# Allegro board RK3588S_Template_LP5D315P232SD10H2_42x42_2750MHz_1R2_V10_20220413YWQ.brd (continued)
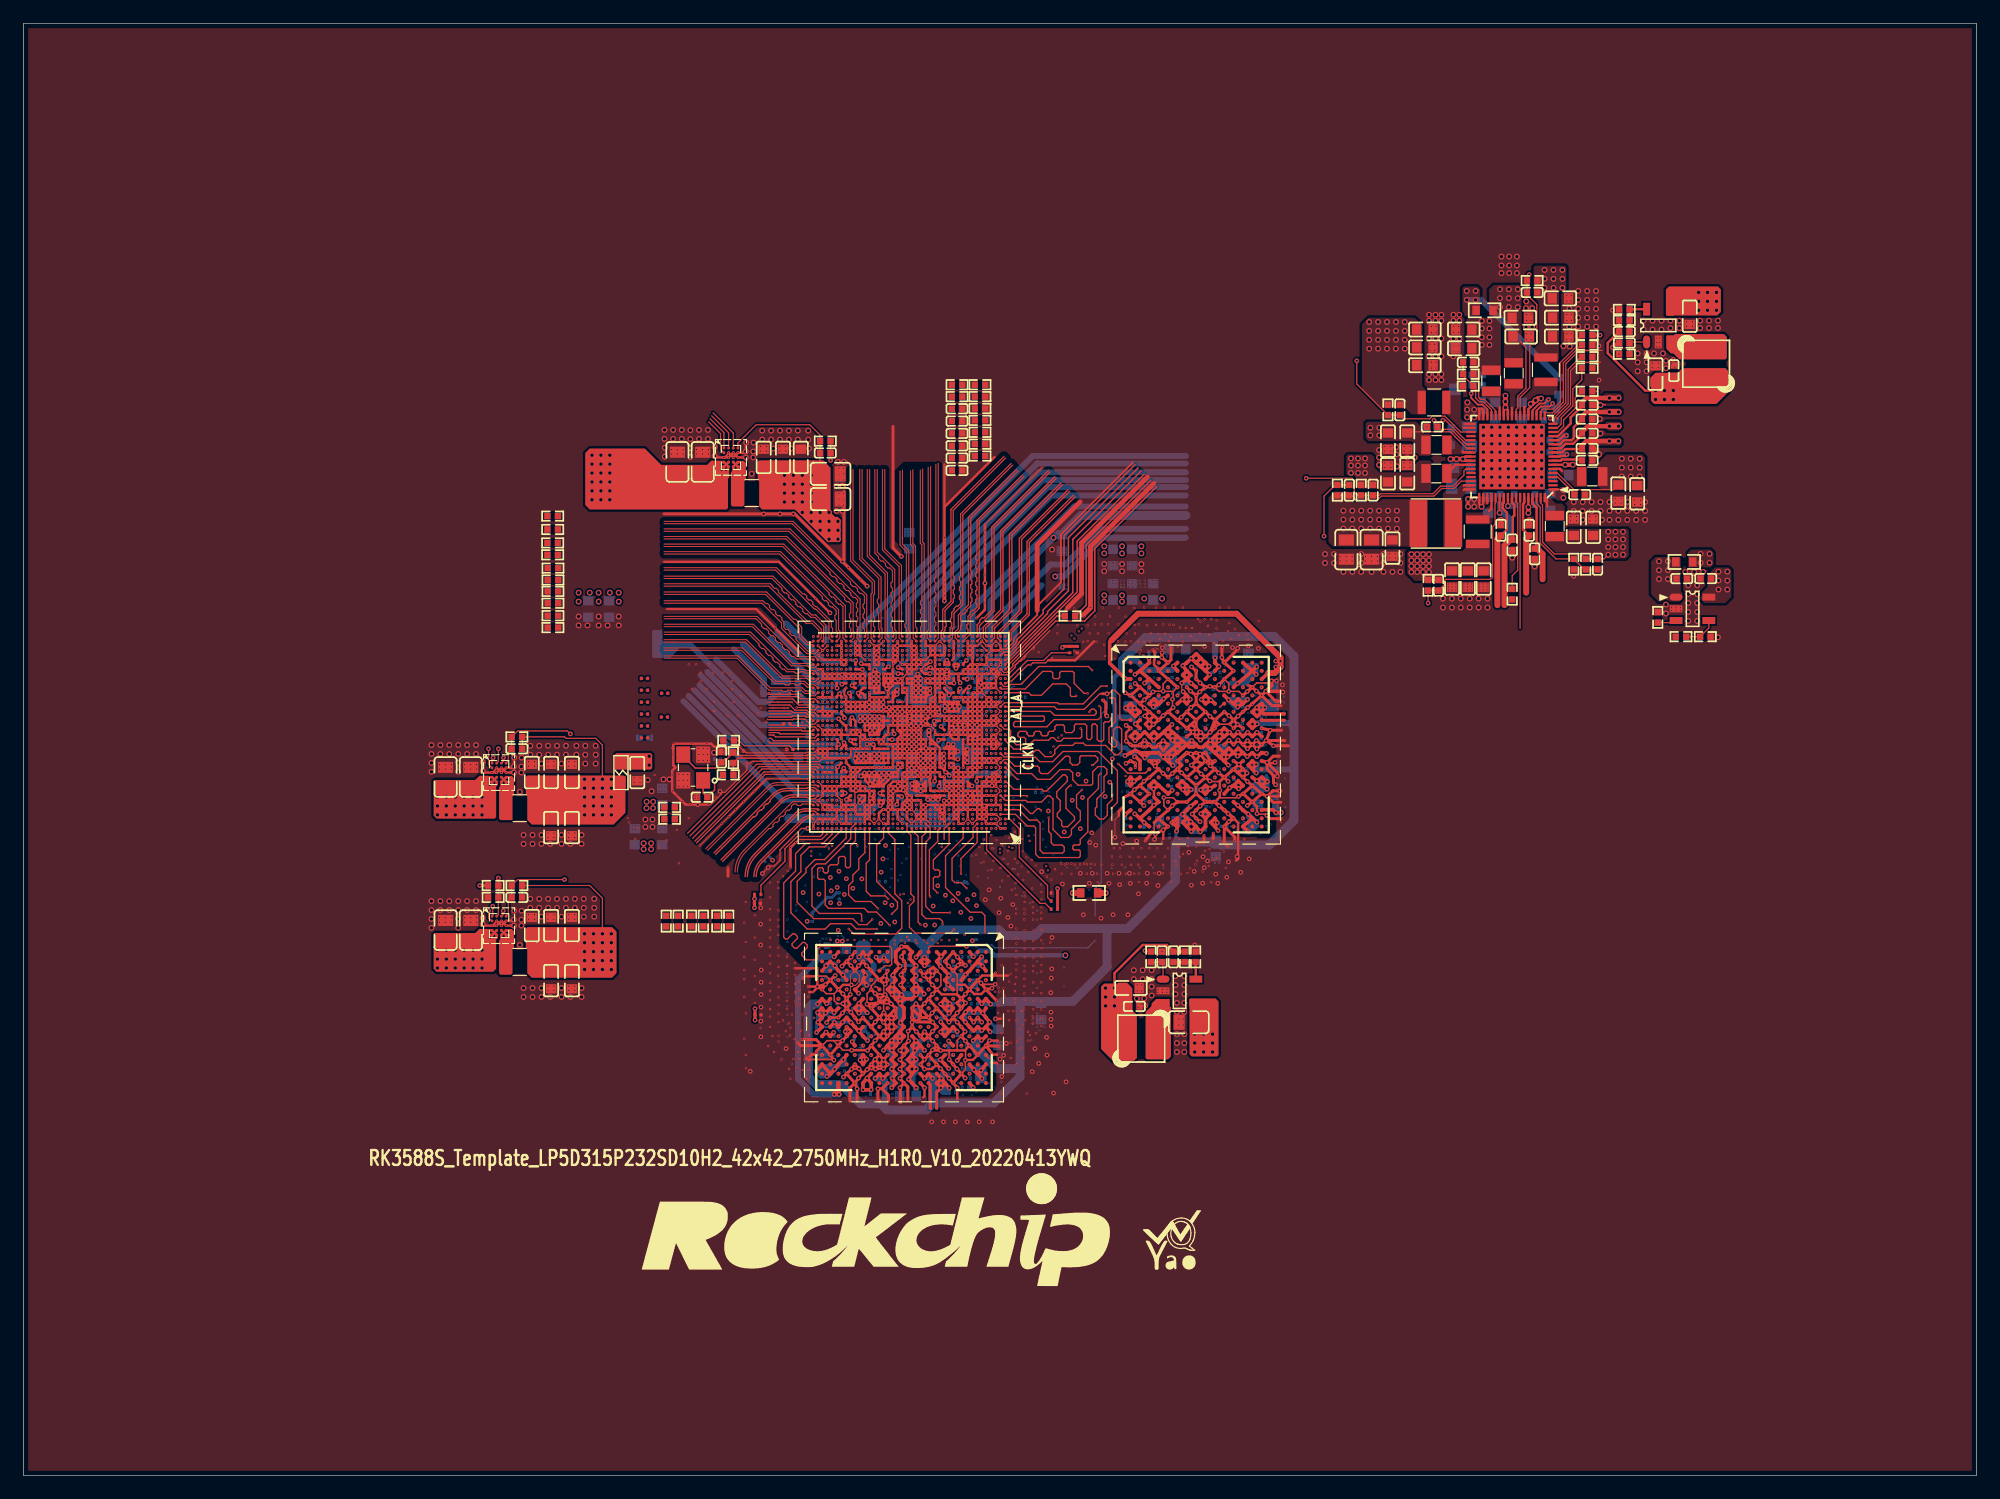
[diagram p0: board, top side]
## Routing (per net, layer and track width the routed paths; a pad name or vN(x,y) marks a point on that pad's centre or on a via; arc(x,y) is an arc through that point) (continued)
  vias: v1(62.1,34.54) v1(62.99,48.51) v1(62.99,47.12) v1(62.99,45.34) v1(63.04,43.2) v1(63.03,42.15) v1(63.03,41.11) v1(63.02,40.03) v1(63.01,38.83) v1(63.01,37.49) v1(63.63,51.96) v1(66.62,49.82) v1(66.97,47.36) v1(71.64,50.99) v1(73.29,51.56) v1(75.49,56.9) v1(77.6,30.23) v1(77.73,48.66) v1(78.12,50.4) v1(78.61,30.23) v1(78.89,68.48) v1(79.63,30.23) v1(80.09,48.13) v1(80.7,58.06) v1(80.64,30.23) v1(80.95,47.6) v1(81.08,45.7) v1(81.41,57.91) v1(81.66,30.23) v1(82.18,49.2) v1(82.8,30.23) v1(86.19,34.51) v1(86.42,36.48) v1(86.75,35.22) v1(87.42,37.44) v1(87.46,35.93) v1(87.82,42.51) v1(87.78,41.27) v1(87.79,39.6) v1(87.79,38.99) v1(87.81,38.41) v1(87.88,45.97) v1(87.87,43.3) v1(88.02,32.68) v1(88.77,50.55) v1(89.08,33.64) v1(89.61,57.7) v1(90.3,51.46) v1(90.56,47.92) v1(91.07,50.61) v1(91.32,51.46) v1(92.07,47.62) v1(92.59,51.46) v1(92.74,50.61) v1(93.1,47.92) v1(93.61,51.46) v1(93.66,50.5) v1(94.37,47.92) v1(94.57,50.61) v1(95.27,49.71) v1(95.88,40.13) v1(96.02,51.46) v1(95.97,50.62) v1(96.94,50.42) v1(97.03,51.46) v1(99.57,53.25) v1(99.78,50.45) v1(100.08,45.34) v1(100.75,50.61) v1(100.89,51.94) v1(101.18,52.52) v1(101.87,51.39) v1(102.04,50.61) v1(102.81,51.13) v1(102.96,52.44) v1(103.69,52.9) v1(104,51.55) v1(104.73,52.69) v1(107.57,67.56) v1(132.46,76.84) v1(134.62,96.52) v1(134.62,93.6) v1(135.76,99.57) v1(140.97,95.38) v2(34.86,62.42) v2(34.86,61.66) v2(34.86,60.89) v2(34.86,60.13) v2(34.86,49.08) v2(34.86,48.32) v2(34.86,47.56) v2(34.86,46.8) v2(35.62,62.42) v2(35.62,61.66) v2(35.62,49.08) v2(35.62,48.32) v2(36.39,62.42) v2(36.39,61.66) v2(36.39,49.08) v2(36.39,48.32) v2(37.15,62.42) v2(37.15,61.66) v2(37.15,60.89) v2(37.15,60.13) v2(37.15,49.08) v2(37.15,48.32) v2(37.15,47.56) v2(37.15,46.8) v2(37.91,62.42) v2(37.91,61.66) v2(37.91,49.08) v2(37.91,48.32) v2(38.67,62.42) v2(38.67,61.66) v2(38.67,49.08) v2(38.67,48.32) v2(39.24,60.97) v2(39.24,47.63) v2(41.94,48.26) v2(42.42,58.42) v2(42.42,45.34) v2(42.57,61.34) v2(42.54,60.58) v2(42.54,60.07) v2(42.57,48.26) v2(42.54,47.5) v2(42.54,46.99) v2(42.74,54.74) v2(42.74,53.98) v2(42.74,41.66) v2(42.74,40.89) v2(43.31,62.36) v2(43.31,61.59) v2(43.31,49.28) v2(43.31,48.51) v2(43.5,54.74) v2(43.5,53.98) v2(43.5,41.66) v2(43.5,40.89) v2(44.07,62.36) v2(44.07,61.59) v2(44.07,49.28) v2(44.07,48.51) v2(44.26,60.83) v2(44.26,54.74) v2(44.26,53.98) v2(44.26,47.75) v2(44.26,41.66) v2(44.26,40.89) v2(44.83,62.36) v2(44.83,61.59) v2(44.83,49.28) v2(44.83,48.51) v2(45.02,53.98) v2(45.02,40.89) v2(45.59,62.36) v2(45.59,61.59) v2(45.59,49.28) v2(45.59,48.51) v2(45.97,60.83) v2(45.97,54.74) v2(45.97,53.98) v2(45.97,47.75) v2(45.97,41.66) v2(45.97,40.89) v2(46.35,62.36) v2(46.35,61.59) v2(46.35,49.28) v2(46.35,48.51) v2(46.74,53.98) v2(46.74,40.89) v2(47.12,49.28) v2(47.12,48.51) v2(47.24,62.36) v2(47.24,61.59) v2(47.43,73.41) v2(47.43,72.64) v2(47.69,54.74) v2(47.69,53.98) v2(47.69,41.66) v2(47.69,40.89) v2(47.88,49.28) v2(47.88,48.51) v2(47.88,47.75) v2(48.01,62.36) v2(48.01,61.59) v2(48.01,60.83) v2(48.2,72.64) v2(48.77,49.28) v2(48.77,48.51) v2(48.77,47.75) v2(48.89,62.36) v2(48.89,61.59) v2(48.89,60.83) v2(49.15,73.41) v2(49.15,72.64) v2(49.91,72.64) v2(50.86,73.41) v2(50.86,72.64) v2(53.14,56.06) v2(53.14,55.42) v2(53.34,59.44) v2(53.67,58.47) v2(53.75,56.06) v2(53.75,55.42) v2(54.69,59.49) v2(54.78,89.34) v2(54.78,88.58) v2(54.8,87.82) v2(54.8,87.06) v2(55.19,59.49) v2(55.51,89.34) v2(55.51,88.58) v2(56.25,89.34) v2(56.25,88.58) v2(56.98,89.32) v2(56.98,88.56) v2(56.98,87.8) v2(56.98,87.03) v2(57.72,89.34) v2(57.72,88.58) v2(58.48,89.34) v2(58.48,88.58) v2(59,61.77) v2(59.06,87.89) v2(62.23,85.6) v2(62.38,88.27) v2(62.36,87.5) v2(62.36,87) v2(63.12,89.28) v2(63.12,88.52) v2(63.88,89.28) v2(63.88,88.52) v2(64.07,87.76) v2(64.64,89.28) v2(64.64,88.52) v2(65.4,89.28) v2(65.4,88.52) v2(65.6,87.76) v2(66.17,89.28) v2(66.17,88.52) v2(67.06,89.28) v2(67.06,88.52) v2(67.12,87.76) v2(69.47,84.58) v2(69.47,82.42) v2(69.6,86.61) v2(69.98,84.58) v2(69.98,82.42) v2(70.1,86.61) v2(87.88,79.12) v2(92.34,77.88) v2(92.34,77.27) v2(93.87,77.88) v2(93.87,77.27) v2(94.87,43.18) v2(94.87,42.42) v2(95.12,40.77) v2(95.52,77.88) v2(95.52,77.27) v2(95.63,43.18) v2(95.63,42.42) v2(95.76,40.77) v2(96.39,43.18) v2(96.39,42.42) v2(96.39,41.78) v2(96.39,41.02) v2(98.42,42.67) v2(98.42,41.91) v2(98.42,41.15) v2(98.55,40.39) v2(98.55,39.62) v2(98.55,37.72) v2(98.55,36.96) v2(98.55,36.2) v2(99.19,42.67) v2(99.19,41.91) v2(99.19,41.15) v2(99.19,40.39) v2(99.19,39.62) v2(99.19,37.72) v2(99.19,36.96) v2(99.19,36.2) v2(111.21,78.74) v2(111.21,77.98) v2(111.97,78.74) v2(111.97,77.98) v2(112.78,77.22) v2(113.54,77.22) v2(114.3,78.74) v2(114.3,77.98) v2(114.3,77.22) v2(115.19,77.22) v2(115.82,87.63) v2(115.82,87) v2(115.82,86.36) v2(116.2,78.74) v2(116.2,77.98) v2(116.2,77.22) v2(116.97,77.22) v2(117.29,87.87) v2(117.29,87.25) v2(117.35,86.23) v2(117.65,78.74) v2(117.65,77.98) v2(117.65,77.22) v2(118.24,87) v2(118.87,87) v2(120.09,99.19) v2(120.09,98.68) v2(120.09,97.16) v2(120.09,95.63) v2(120.09,94.11) v2(120.09,93.61) v2(120.65,99.19) v2(120.65,98.68) v2(120.65,97.16) v2(120.65,95.63) v2(120.65,94.11) v2(120.65,93.61) v2(121.15,99.19) v2(121.15,98.68) v2(121.15,97.16) v2(121.15,95.63) v2(121.15,94.11) v2(121.15,93.61) v2(121.28,74.93) v2(121.28,74.17) v2(122.05,74.93) v2(122.05,74.17) v2(122.17,99.19) v2(122.17,98.68) v2(122.17,97.16) v2(122.17,95.63) v2(122.68,99.19) v2(122.68,98.68) v2(122.68,97.16) v2(122.81,74.93) v2(122.81,74.17) v2(123.57,74.93) v2(123.57,74.17) v2(124.33,74.93) v2(124.33,74.17) v2(124.74,89.58) v2(124.74,88.87) v2(124.74,88.16) v2(124.74,87.44) v2(124.74,86.73) v2(124.74,86.02) v2(124.74,85.31) v2(124.74,84.6) v2(125.09,74.93) v2(125.09,74.17) v2(125.45,89.58) v2(125.45,88.87) v2(125.45,88.16) v2(125.45,87.44) v2(125.45,86.73) v2(125.45,86.02) v2(125.45,85.31) v2(125.45,84.6) v2(126.16,89.58) v2(126.16,88.87) v2(126.16,88.16) v2(126.16,87.44) v2(126.16,86.73) v2(126.16,86.02) v2(126.16,85.31) v2(126.16,84.6) v2(126.28,104.16) v2(126.28,103.4) v2(126.28,102.74) v2(126.94,104.16) v2(126.94,103.4) v2(126.94,102.74) v2(126.87,89.58) v2(126.87,88.87) v2(126.87,88.16) v2(126.87,87.44) v2(126.87,86.73) v2(126.87,86.02) v2(126.87,85.31) v2(126.87,84.6) v2(127.6,104.16) v2(127.6,103.4) v2(127.6,102.74) v2(127.58,89.58) v2(127.58,88.87) v2(127.58,88.16) v2(127.58,87.44) v2(127.58,86.73) v2(127.58,86.02) v2(127.58,85.31) v2(127.58,84.6) v2(128.3,89.58) v2(128.3,88.87) v2(128.3,88.16) v2(128.3,87.44) v2(128.3,86.73) v2(128.3,86.02) v2(128.3,85.31) v2(128.3,84.6) v2(128.4,100.33) v2(128.38,99.75) v2(128.38,98.14) v2(128.91,99.75) v2(128.91,98.14) v2(129.01,89.58) v2(129.01,88.87) v2(129.01,88.16) v2(129.01,87.44) v2(129.01,86.73) v2(129.01,86.02) v2(129.01,85.31) v2(129.01,84.6) v2(129.72,89.58) v2(129.72,88.87) v2(129.72,88.16) v2(129.72,87.44) v2(129.72,86.73) v2(129.72,86.02) v2(129.72,85.31) v2(129.72,84.6) v2(131.57,96.51) v2(132.08,99.69) v2(132.08,98.17) v2(132.46,83.19) v2(132.46,82.42) v2(132.84,101.22) v2(132.84,100.46) v2(132.84,99.69) v2(132.84,98.93) v2(132.84,98.17) v2(133.22,83.19) v2(133.22,82.42) v2(133.22,81.66) v2(133.6,101.22) v2(133.6,100.46) v2(133.6,99.69) v2(133.6,98.93) v2(133.6,98.17) v2(133.98,83.19) v2(133.98,82.42) v2(134.37,101.22) v2(134.37,100.46) v2(134.37,99.69) v2(134.37,98.93) v2(134.37,98.17) v2(134.68,90.3) v2(134.75,89.03) v2(134.75,83.19) v2(134.75,82.42) v2(134.87,81.66) v2(135.51,83.19) v2(135.51,82.42) v2(135.51,81.66) v2(136.27,82.42) v2(136.27,81.66) v2(137.03,83.19) v2(137.03,82.42) v2(137.03,81.66) v2(137.79,82.42) v2(137.79,81.66) v2(137.92,95.88) v2(137.92,95.12) v2(137.92,94.36) v2(138.43,98.68) v2(138.43,97.92) v2(138.56,83.19) v2(138.56,82.42) v2(138.56,81.66) v2(138.68,95.88) v2(138.68,95.12) v2(138.68,94.36) v2(139.19,98.68) v2(139.19,97.92) v2(139.32,95.88) v2(139.95,98.68) v2(139.95,97.92) v2(140.08,95.88) v2(140.33,95.25) v2(140.33,94.61) v2(140.33,74.42) v2(140.33,73.66) v2(140.72,98.68) v2(140.72,98.04) v2(141.48,98.68) v2(141.48,98.04) v2(141.99,77.22) v2(142.24,76.07) v2(142.24,75.31) v2(142.24,74.55) v2(142.24,73.79) v2(142.24,73.03) v2(142.75,77.22) v2(143,76.07) v2(143,75.31) v2(143,74.55) v2(143,73.79) v2(143,73.03) v2(143.26,98.68) v2(143.26,98.04) v2(143.51,77.22) v2(144.02,98.68) v2(144.02,98.04) v2(144.78,98.68) v2(144.78,98.04) v2(144.78,71.63) v3(35.54,60.75) v3(35.54,60.36) v3(35.54,47.66) v3(35.54,47.28) v3(36.05,60.75) v3(36.05,60.36) v3(36.05,47.66) v3(36.05,47.28) v3(36.56,60.75) v3(36.56,60.36) v3(36.56,47.66) v3(36.56,47.28) v3(37.7,60.75) v3(37.7,60.36) v3(37.7,47.66) v3(37.7,47.28) v3(38.21,60.75) v3(38.21,60.36) v3(38.21,47.66) v3(38.21,47.28) v3(38.72,60.75) v3(38.72,60.36) v3(38.72,47.66) v3(38.72,47.28) v3(43.16,61) v3(43.16,60.62) v3(43.16,47.92) v3(43.16,47.54) v3(43.67,61) v3(43.67,60.62) v3(43.67,47.92) v3(43.67,47.54) v3(44.81,61) v3(44.81,60.62) v3(44.81,54.9) v3(44.81,54.52) v3(44.81,47.92) v3(44.81,47.54) v3(44.81,41.82) v3(44.81,41.44) v3(45.32,61) v3(45.32,60.62) v3(45.32,54.9) v3(45.32,54.52) v3(45.32,47.92) v3(45.32,47.54) v3(45.32,41.82) v3(45.32,41.44) v3(46.59,61) v3(46.59,60.62) v3(46.59,54.9) v3(46.59,54.52) v3(46.59,47.92) v3(46.59,47.54) v3(46.59,41.82) v3(46.59,41.44) v3(47.1,61) v3(47.1,60.62) v3(47.1,54.9) v3(47.1,54.52) v3(47.1,47.92) v3(47.1,47.54) v3(47.1,41.82) v3(47.1,41.44) v3(51.64,56.18) v3(51.77,55.8) v3(52.18,59.6) v3(52.18,59.22) v3(52.27,54.41) v3(52.53,55.3) v3(52.69,59.6) v3(52.69,59.22) v3(53.04,58.98) v3(53.92,59.87) v3(54.31,53.64) v3(54.94,54.28) v3(55.35,87.67) v3(55.35,87.29) v3(55.83,55.17) v3(55.86,87.67) v3(55.86,87.29) v3(56,59.91) v3(56,59.4) v3(56,58.89) v3(56.01,52.32) v3(56.37,87.67) v3(56.37,87.29) v3(56.38,59.91) v3(56.38,59.4) v3(56.38,58.89) v3(56.76,59.91) v3(56.76,59.4) v3(56.76,58.89) v3(56.85,56.18) v3(57.39,58.13) v3(57.39,57.88) v3(57.51,87.67) v3(57.51,87.29) v3(57.7,62.12) v3(57.7,61.61) v3(57.7,61.1) v3(57.65,58.13) v3(57.65,57.88) v3(58.02,87.67) v3(58.02,87.29) v3(58.08,62.12) v3(58.08,61.61) v3(58.08,61.1) v3(58.53,87.67) v3(58.53,87.29) v3(58.46,62.12) v3(58.46,61.61) v3(58.46,61.1) v3(59.13,57.96) v3(59.81,61.94) v3(59.81,61.69) v3(60.83,56.9) v3(62.48,47.88) v3(62.48,45.97) v3(62.48,44.07) v3(62.48,42.67) v3(62.48,41.53) v3(62.48,40.39) v3(62.97,87.92) v3(62.97,87.54) v3(63,65.58) v3(62.99,49.15) v3(62.99,38.23) v3(63.48,87.92) v3(63.48,87.54) v3(63.63,36.7) v3(63.8,50.67) v3(63.8,49.4) v3(63.8,48.39) v3(63.8,46.63) v3(63.8,45.15) v3(63.8,43.73) v3(63.81,42.09) v3(63.8,40.64) v3(63.8,39.21) v3(64.13,36.2) v3(64.49,50.21) v3(64.51,48.29) v3(64.51,46.91) v3(64.5,46.2) v3(64.48,45.1) v3(64.51,44.43) v3(64.52,43.46) v3(64.49,42.71) v3(64.52,41.77) v3(64.5,40.86) v3(64.52,40.2) v3(64.52,39.46) v3(64.52,37.59) v3(64.52,37.08) v3(64.63,87.92) v3(64.63,87.54) v3(64.77,35.56) v3(64.9,38.9) v3(65.13,87.92) v3(65.13,87.54) v3(65.24,44.32) v3(65.23,42.09) v3(65.24,41.27) v3(65.23,40.56) v3(65.14,37.98) v3(65.24,43.56) v3(65.25,42.87) v3(65.41,38.65) v3(65.41,34.74) v3(65.54,38.27) v3(65.53,33.91) v3(65.79,35.6) v3(65.91,43.81) v3(65.94,42.02) v3(65.94,41.3) v3(65.94,42.75) v3(66.05,40.17) v3(66.05,34.84) v3(66.17,38.65) v3(66.17,36.18) v3(66.3,41.48) v3(66.29,40.77) v3(66.3,35.6) v3(66.43,38.01) v3(66.59,34.65) v3(66.68,36.36) v3(66.94,38.65) v3(66.93,33.91) v3(67.05,40.92) v3(67.08,34.69) v3(69.68,86.09) v3(69.68,85.58) v3(69.68,85.07) v3(69.68,83.93) v3(69.68,83.42) v3(69.68,82.91) v3(70.06,86.09) v3(70.06,85.58) v3(70.06,85.07) v3(70.06,83.93) v3(70.06,83.42) v3(70.06,82.91) v3(70.41,45.76) v3(70.66,60.45) v3(71.49,56.5) v3(71.81,45.76) v3(71.89,62.1) v3(72.41,45.76) v3(73.05,45.76) v3(73.84,44.74) v3(73.84,43.09) v3(74.44,45.73) v3(75.32,45.53) v3(75.51,46.02) v3(75.66,45.76) v3(75.99,39.94) v3(76.23,45.75) v3(76.33,69.7) v3(76.33,45.51) v3(76.66,44.74) v3(76.96,45.74) v3(77.22,45.51) v3(77.67,45.77) v3(77.88,66.88) v3(77.98,68.07) v3(78.11,45.51) v3(79.88,59.69) v3(80.69,60.1) v3(81.41,53.05) v3(81.49,66.5) v3(81.91,60.96) v3(81.89,58.9) v3(82.03,52.43) v3(82.23,53.16) v3(82.71,51.76) v3(82.87,52.52) v3(83.13,54.31) v3(83.28,40.17) v3(83.48,51.92) v3(83.59,53.84) v3(83.63,50.83) v3(83.57,32.64) v3(83.66,52.71) v3(83.7,39.16) v3(84.1,52.27) v3(84.16,51.23) v3(84.44,50.04) v3(84.53,51.83) v3(84.71,52.7) v3(84.72,42.01) v3(84.72,41.38) v3(84.71,40.74) v3(84.83,49.61) v3(84.83,45.46) v3(84.84,44.27) v3(84.84,43.23) v3(84.85,43.7) v3(84.85,35.14) v3(84.99,51.37) v3(85.1,38.14) v3(85.1,37.38) v3(85.38,53.34) v3(85.42,50.9) v3(85.35,38.52) v3(85.43,35.67) v3(85.54,48.37) v3(85.52,47.52) v3(85.53,45.67) v3(85.54,43.56) v3(85.53,43.09) v3(85.52,42.45) v3(85.52,41.83) v3(85.51,41.18) v3(85.56,49.49) v3(85.55,49.02) v3(85.55,46.58) v3(85.55,45.01) v3(85.54,44.28) v3(85.69,52.82) v3(85.72,32.64) v3(85.85,51.56) v3(85.86,37.16) v3(86.16,52.6) v3(86.23,49.02) v3(86.24,38.65) v3(86.24,48.56) v3(86.27,47.51) v3(86.29,46.57) v3(86.28,45.66) v3(86.29,45) v3(86.29,44.27) v3(86.29,43.55) v3(86.26,43.09) v3(86.29,42.15) v3(86.27,41.24) v3(86.29,40.58) v3(86.28,39.84) v3(86.48,52.12) v3(86.51,37.78) v3(86.98,49.86) v3(86.97,49.23) v3(86.97,48.54) v3(86.96,47.59) v3(86.98,46.65) v3(86.97,45.74) v3(86.98,44.34) v3(86.98,43.63) v3(86.97,43.07) v3(86.97,42.14) v3(86.98,41.22) v3(86.97,40.58) v3(86.97,39.82) v3(86.99,39.11) v3(87.44,51.18) v3(87.73,45.55) v3(88.34,71.96) v3(88.37,72.69) v3(89.19,52.3) v3(89.54,52.3) v3(89.54,51.42) v3(89.79,74.09) v3(90.04,72.64) v3(90.28,52.22) v3(90.61,52.29) v3(90.68,73.41) v3(90.93,72.64) v3(90.86,52.23) v3(90.86,51.43) v3(91.19,74.17) v3(91.57,73.41) v3(91.55,72.72) v3(91.8,71.96) v3(92.12,72.72) v3(92.1,52.2) v3(92.2,74.17) v3(92.33,70.99) v3(92.68,72.72) v3(92.72,71.96) v3(92.84,73.41) v3(93.04,52.2) v3(93.11,51.44) v3(93.52,71.28) v3(93.6,74.17) v3(93.55,72.72) v3(93.74,52.88) v3(93.85,52.2) v3(94.15,71.27) v3(94.19,51.42) v3(94.26,71.96) v3(94.52,52.87) v3(94.62,71.27) v3(94.96,71.96) v3(95.3,72.73) v3(95.25,71.25) v3(95.38,70.24) v3(95.48,70.53) v3(95.52,53.6) v3(95.76,74.17) v3(95.76,71.25) v3(95.85,52.86) v3(96.01,72.64) v3(96.33,71.96) v3(96.33,52.19) v3(96.63,52.88) v3(96.77,74.17) v3(97.11,71.48) v3(97.39,72.72) v3(97.38,52.19) v3(97.34,51.46) v3(97.54,74.17) v3(97.55,70.99) v3(97.92,72.7) v3(97.86,71.29) v3(98.3,74.17) v3(98.48,52.19) v3(98.69,53.76) v3(98.81,52.87) v3(98.88,51.42) v3(98.97,71.71) v3(99.06,74.17) v3(99.07,53.13) v3(99.31,72.41) v3(99.66,51.88) v3(99.84,72.42) v3(99.74,71.75) v3(100.21,53.76) v3(100.28,52.54) v3(100.51,71.94) v3(100.75,51.62) v3(100.91,73.16) v3(100.97,53.38) v3(101.2,72.61) v3(101.32,71.84) v3(101.35,53.56) v3(101.49,50.7) v3(101.95,73.08) v3(102.23,74.17) v3(102.59,59.68) v3(102.74,51.92) v3(102.93,72.15) v3(103.2,71.51) v3(104.58,70.43) v3(105,65.89) v3(105.54,73.03) v3(107.44,55.88) v3(107.57,68.45) v3(119.92,89.61) v3(120.18,96.66) v3(120.18,96.16) v3(120.31,98.19) v3(120.31,97.68) v3(120.31,95.14) v3(120.31,94.63) v3(120.56,96.66) v3(120.56,96.16) v3(120.69,98.19) v3(120.69,97.68) v3(120.69,95.14) v3(120.69,94.63) v3(122.21,98.19) v3(122.21,97.68) v3(122.21,96.54) v3(122.21,96.03) v3(122.59,98.19) v3(122.59,97.68) v3(122.59,96.54) v3(122.59,96.03) v3(122.55,93.34) v3(128.44,99.2) v3(128.44,98.7) v3(128.44,97.55) v3(128.44,97.05) v3(128.82,99.2) v3(128.82,98.7) v3(128.82,97.55) v3(128.82,97.05) v3(131.87,100.86) v3(131.87,100.35) v3(131.87,99.2) v3(131.87,98.7) v3(131.87,97.55) v3(131.87,97.05) v3(132.19,81.95) v3(132.19,81.57) v3(132.25,100.86) v3(132.25,100.35) v3(132.25,99.2) v3(132.25,98.7) v3(132.25,97.55) v3(132.25,97.05) v3(132.7,81.95) v3(132.7,81.57) v3(133.84,81.95) v3(133.84,81.57) v3(134.35,81.95) v3(134.35,81.57) v3(136,83.48) v3(136,83.1) v3(136.51,83.48) v3(136.51,83.1) v3(137.65,83.35) v3(137.65,82.97) v3(138.16,83.35) v3(138.16,82.97) v3(139.17,95.04) v3(139.17,94.65) v3(139.56,97.19) v3(139.56,96.81) v3(139.56,96.43) v3(139.68,95.04) v3(139.68,94.65) v3(139.81,97.19) v3(139.81,96.81) v3(139.81,96.43) v3(140.82,94.99) v3(140.8,74.15) v3(140.8,73.9) v3(141.09,94.72) v3(141.18,74.15) v3(141.18,73.9) v3(141.57,74.15) v3(141.57,73.9) v3(142.1,98.59) v3(142.1,98.21) v3(142.6,98.59) v3(142.6,98.21) v4(40.02,47.39) v4(40.04,46.59) v4(40.64,47.75) v4(40.71,46.59) v4(41.24,46.59) v4(41.27,47.75) v4(59.31,68.6) v4(60.45,69.31) v4(65.25,81.44) v4(67.44,79.25) v4(69.72,77.22) v4(69.9,57) v4(70.46,68.53) v4(70.95,71.68) v4(70.99,57.73) v4(71.17,62.41) v4(71.17,56.61) v4(71.58,62.41) v4(71.88,65.38) v4(72.09,76.96) v4(72.19,68.28) v4(72.37,57.4) v4(72.46,67.14) v4(72.92,67.14) v4(73.25,68.94) v4(73.33,67.14) v4(73.33,63.96) v4(73.51,57.81) v4(73.55,68.12) v4(73.56,67.69) v4(73.61,64.64) v4(73.63,61.59) v4(73.63,61.19) v4(73.69,58.42) v4(73.86,58.01) v4(73.91,57.3) v4(74.02,61.82) v4(74.02,61.42) v4(74.09,60.76) v4(74.29,64.24) v4(74.52,61.01) v4(74.65,56.85) v4(74.75,58.52) v4(74.86,61.59) v4(75.03,62.99) v4(75.06,80.39) v4(75.11,62.23) v4(75.29,64.87) v4(75.34,64.01) v4(75.27,61.59) v4(75.26,58.98) v4(75.44,60.96) v4(75.46,62.94) v4(75.46,62.51) v4(75.62,33.25) v4(75.67,61.59) v4(75.95,72.03) v4(75.96,60.05) v4(76.05,66.16) v4(76.08,61.59) v4(76.31,33.85) v4(76.71,69.29) v4(76.66,66.37) v4(76.71,62.15) v4(76.71,60.45) v4(76.88,59.86) v4(77.17,68.09) v4(77.27,60.43) v4(77.7,65.27) v4(77.71,61.54) v4(77.7,60.42) v4(78.14,67.52) v4(78.13,67.11) v4(78.13,66.71) v4(78.12,66.3) v4(78.13,61.65) v4(78.16,61.16) v4(78.16,60.76) v4(78.44,59.71) v4(79.31,65.24) v4(79.63,57.17) v4(80.01,57.02) v4(80.07,66.26) v4(80.21,68.83) v4(80.88,66.26) v4(81.43,68.84) v4(81.43,60.83) v4(83.57,71.62) v4(91.54,69.23) v4(102.57,74.21) v4(103.75,62.13) v4(106.26,55.86) v5(66.04,48.77) v5(66.67,55.24) v5(66.67,54.1) v5(66.8,67.06) v5(66.93,63.37) v5(66.93,63.12) v5(66.93,49.02) v5(67.18,66.93) v5(67.18,63.37) v5(67.18,63.12) v5(67.44,54.86) v5(67.44,31.88) v5(67.56,67.06) v5(67.94,66.93) v5(68.35,67.02) v5(68.45,68.71) v5(68.58,63.37) v5(68.61,45.87) v5(68.71,69.09) v5(68.71,68.71) v5(68.71,67.06) v5(68.88,57.86) v5(68.96,68.92) v5(68.96,62.99) v5(68.96,57.53) v5(68.95,31.91) v5(69.21,68.71) v5(69.34,68.96) v5(69.34,57.53) v5(69.53,68.67) v5(69.47,31.88) v5(69.57,65.99) v5(69.7,70.14) v5(69.65,68.92) v5(69.72,68.71) v5(69.7,57.76) v5(69.72,57.53) v5(69.82,65.99) v5(69.78,62.03) v5(69.85,66.29) v5(69.95,63.93) v5(70.05,70.05) v5(70.11,66.52) v5(70.11,65.99) v5(70.48,70.74) v5(70.48,70.48) v5(70.48,70.23) v5(70.48,69.85) v5(70.48,60.2) v5(70.56,58.6) v5(70.74,60.33) v5(70.84,63.35) v5(70.84,58.52) v5(70.87,71.12) v5(70.87,70.61) v5(70.9,70.27) v5(71.07,70.64) v5(71.04,63.27) v5(71.12,62.74) v5(71.22,62.99) v5(71.21,33.41) v5(71.38,67.79) v5(71.38,65.82) v5(71.45,68.35) v5(71.88,54.36) v5(72.14,71.12) v5(72.06,70.87) v5(72.06,70.52) v5(72.26,72.14) v5(72.29,58.19) v5(72.39,70.99) v5(72.52,72.01) v5(72.52,71.63) v5(72.52,71.37) v5(72.57,58.27) v5(72.64,58.04) v5(72.77,58.19) v5(72.77,55.24) v5(72.77,54.36) v5(72.93,32.59) v5(73.02,71.12) v5(72.95,62.92) v5(73.15,71.88) v5(73.15,71.63) v5(73.18,66.22) v5(73.19,62.74) v5(73.3,71.12) v5(73.28,69.86) v5(73.35,62.87) v5(73.38,62.67) v5(73.44,58.73) v5(73.65,56.42) v5(73.66,56.13) v5(73.76,57.63) v5(73.79,55.88) v5(73.86,65.96) v5(73.91,58.67) v5(73.91,56.26) v5(74.04,58.93) v5(74.02,58.42) v5(74.04,57.63) v5(74.04,53.47) v5(74.04,50.29) v5(74.12,57.84) v5(74.22,68) v5(74.17,58.17) v5(74.17,51.82) v5(74.17,51.05) v5(74.24,66.37) v5(74.29,65.96) v5(74.26,32.6) v5(74.26,32.29) v5(74.42,70.61) v5(74.35,68.22) v5(74.4,58.8) v5(74.5,69.77) v5(74.5,69.52) v5(74.47,65.68) v5(74.5,64.97) v5(74.55,71.25) v5(74.55,58.27) v5(74.62,32.76) v5(74.62,32.5) v5(74.62,32.25) v5(74.68,69.98) v5(74.65,64.31) v5(74.8,71.25) v5(74.8,70.48) v5(74.84,70.2) v5(74.78,65.69) v5(74.8,33.54) v5(74.93,63.63) v5(74.93,63.37) v5(74.93,55.24) v5(74.93,51.31) v5(74.98,32.73) v5(74.98,32.48) v5(74.98,32.22) v5(75.09,80.09) v5(75.06,65.84) v5(75.06,62.66) v5(75.06,52.32) v5(75.18,54.86) v5(75.31,63.25) v5(75.26,61.26) v5(75.31,33.4) v5(75.44,80.77) v5(75.44,80.52) v5(75.44,80.26) v5(75.41,65.66) v5(75.44,65.41) v5(75.44,65.15) v5(75.44,52.7) v5(75.44,32.89) v5(75.56,63.25) v5(75.64,61.26) v5(75.69,80.77) v5(75.69,80.52) 